# Altium PCB LimeSDR-Micro_1v2.PcbDoc (part 4 of 9) (continued)
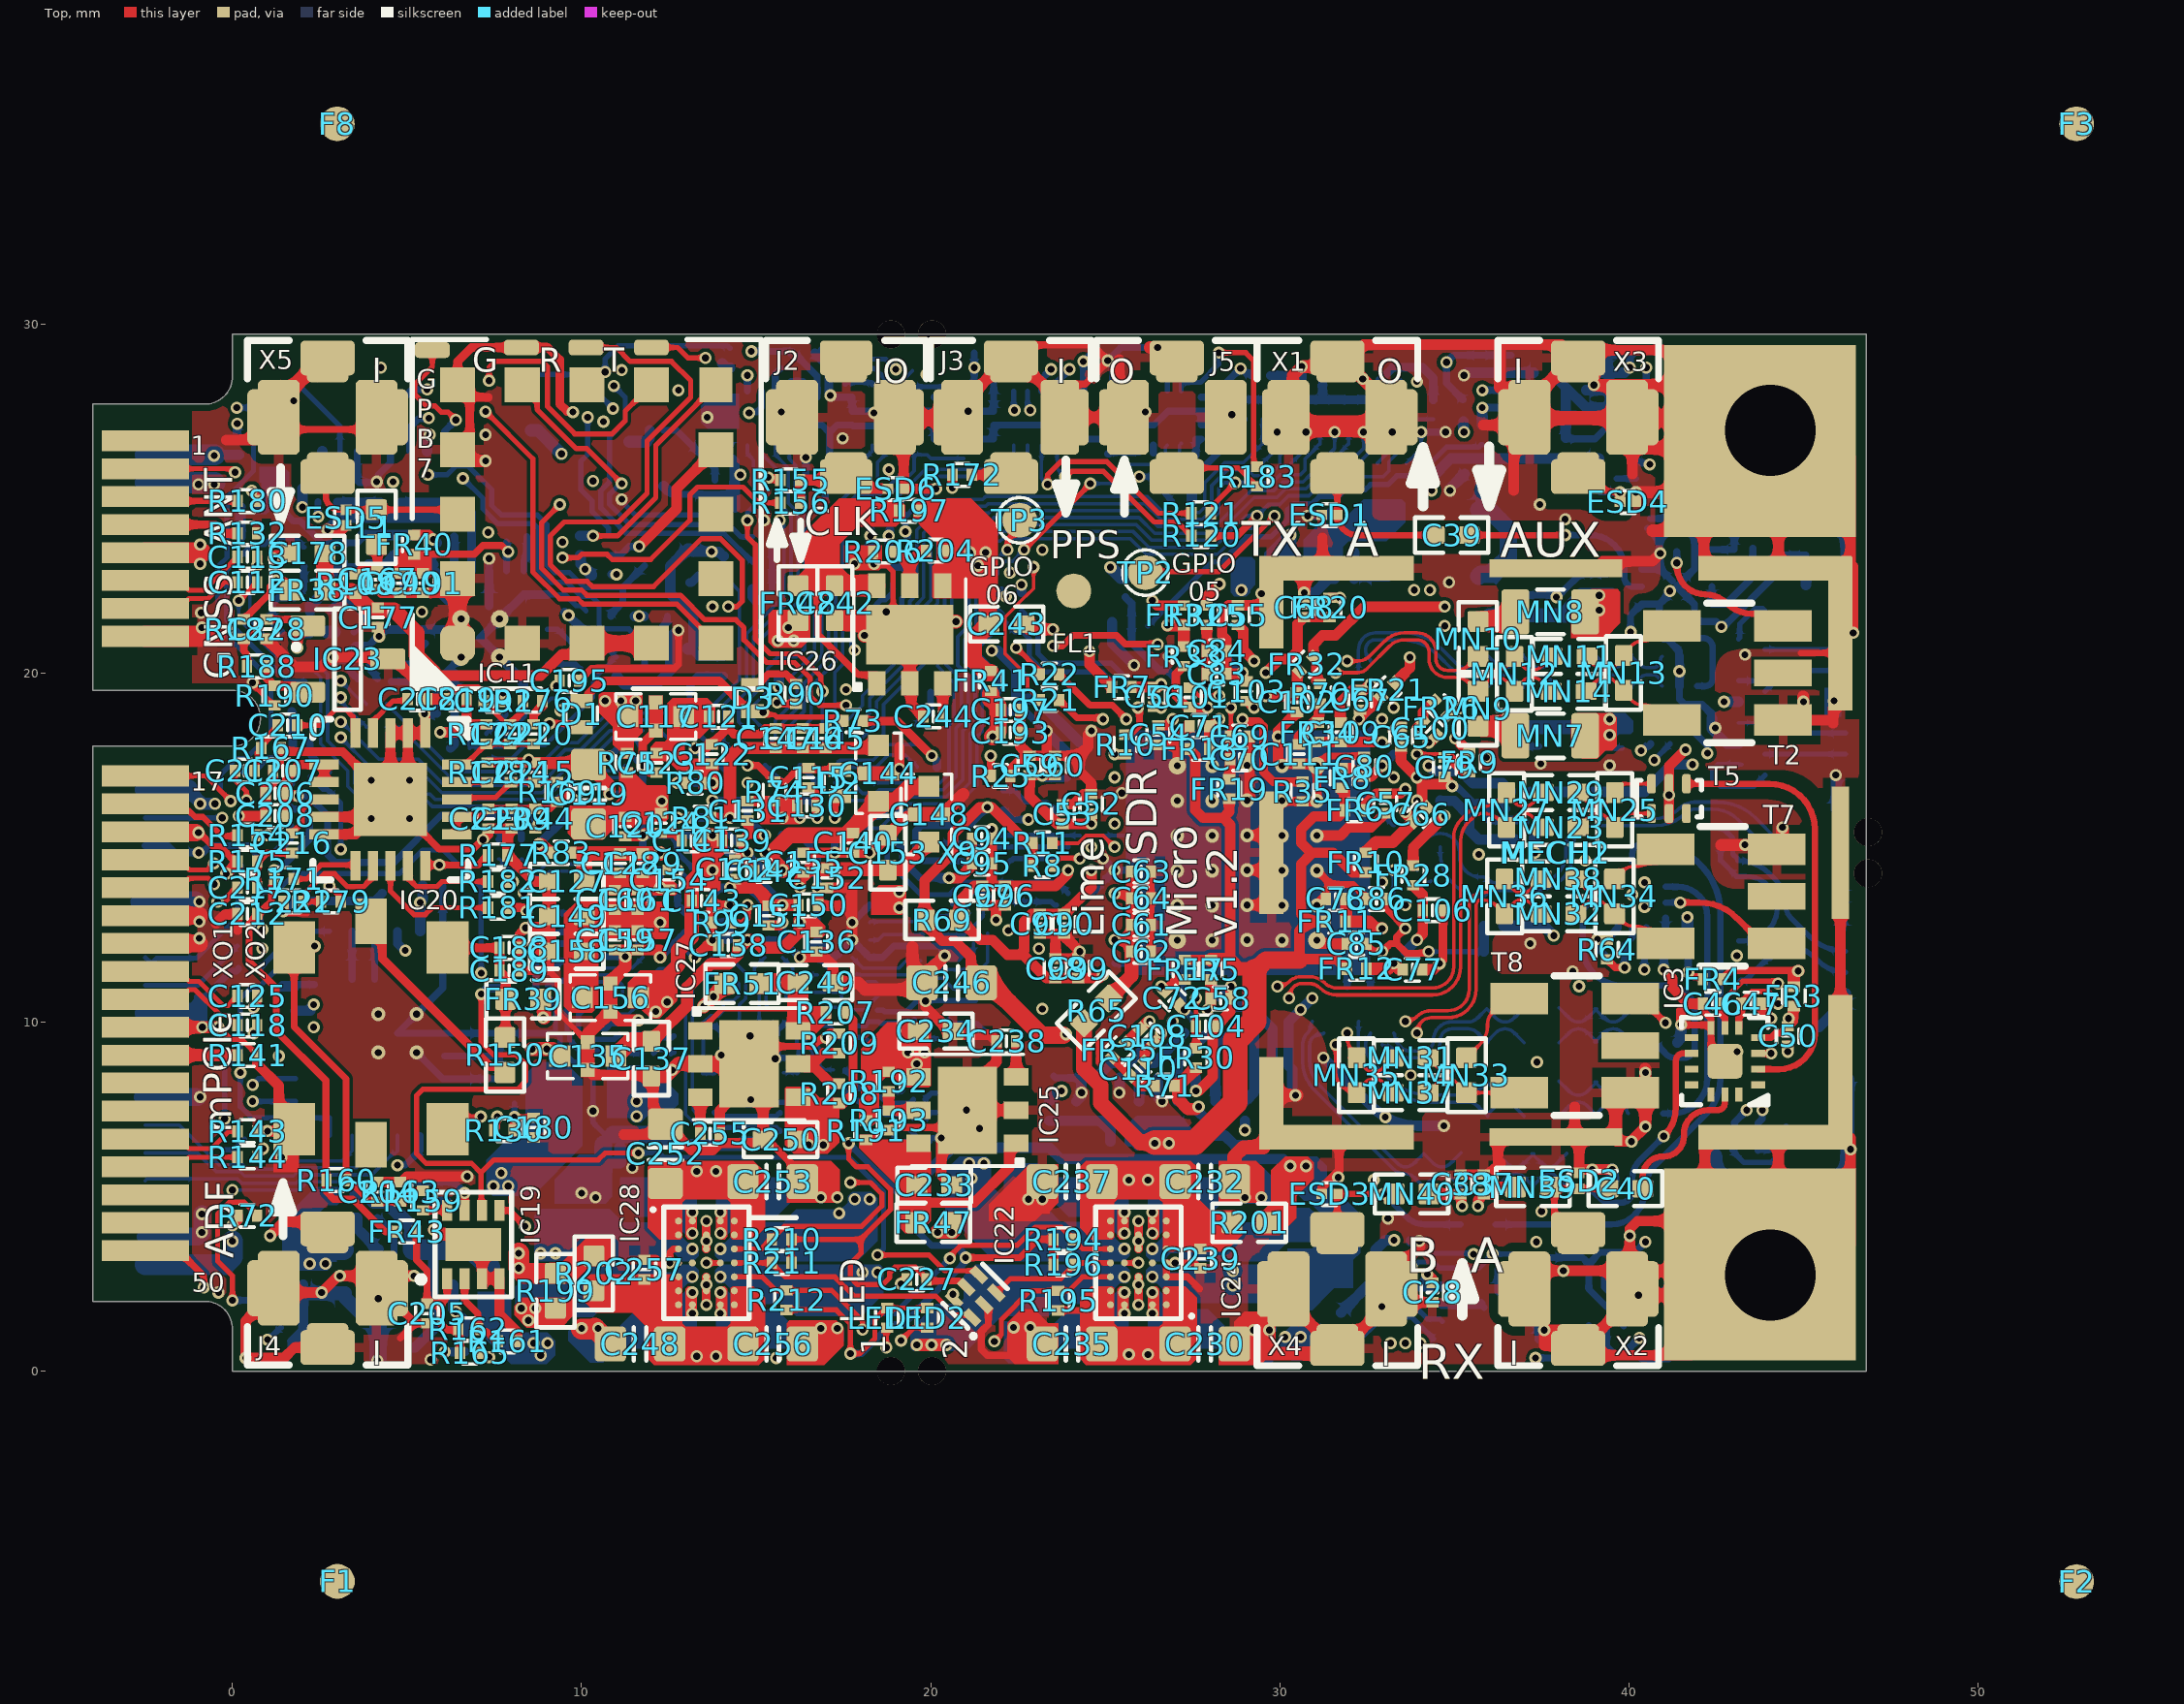
[diagram p0: Top view]
## Nets (pads, with @x,y where several pads share a name; then routed paths per layer and width w, separated by ;. In a path a pad name is that pad's centre, name@x,y a point inside that pad or via, vN(x,y) a via of type N, cw(c..) or ccw(c..) an arc to the next point about the centre after c; other vN are vias at no path point) (continued)
  Top w0.4: X5.2@1.627,28.077 X5.2@2.175,28.625 ; C137.1@12,8.45 12.414,8.45 v1(12.588,8.625) 12.764,8.8 IC27.2@13.4,8.8 IC27.PAD@14.375,8.8 ; v1(18.1,21.075) 19.4,21.075 IC26.PAD@19.5,21.075 ; J2.2@19.102,27.3 J3.2@20.923,27.3 ; IC26.PAD@20.475,21.475 v1(20.725,21.475) ; C232.1@28.7,5.425 28.7,6.15 28.959,6.409 MECH2.1@29.534,6.409 ; 29.15,0.5 X4.2@31.2,0.5 ; MECH2.1@29.534,6.434 MECH2.1@29.812,6.712 ; X3.2@37.023,27.3 37.125,27.3 X9.0@42.688,27.3
  Top w0.5: X9.21@-2.6,15.425 v1@-1.05,15.425 ; X9.29@-2.5,12.25 v1@-0.95,12.25 ; X9.27@-2.5,13.05 -0.95,13.05 ; IC11.1@6.45,20.85 IC11.2@6.45,22.7
  Top w0.6: X9.15@-2.5,21.05 -0.5,21.05 ; X9.9@-2.5,23.45 -0.9,23.45 ; v1@10,1.2 v1@10.375,1.2 ; v1@10.375,1.225 C248.1@10.825,0.775 ; C242.1@17.3,21.5 IC26.PAD@18.475,21.5
  L2 w0.11: 25.27,18.395 25.27,18.943
  L3 w0.25: 9.55,17.15 10.1,17.15 10.4,16.85 10.4,13.25 9.875,12.725 9.875,7.9 v1(10.325,7.45)
  L3 w0.3: v1(8.35,13.7) 9.225,14.575 9.225,16.825 9.55,17.15
  L4 w0.11: 25.27,18.395 25.27,18.943 ; 27.72,19.341 v1(28.267,19.341)
  L4 w0.35: v1(28.267,19.341) v1(28.933,20.007)
  L5 w0.11: 25.27,18.395 25.27,18.943
  L6 w0.1: v1(32.93,18.675) 33.5,18.675 33.625,18.8
  Bottom w0.1: R129.2@29.5,25.995 29.5,26.013 29.925,26.438 v1(29.925,26.9) ; R124.2@30.325,25.995 30.325,26.013 30.75,26.438 v1(30.75,26.9) ; R125.2@31.15,25.995 31.15,26.013 31.575,26.438 v1(31.575,26.9) ; R123.2@31.975,25.995 31.975,26.013 32.4,26.438 v1(32.4,26.9) ; R126.2@32.8,25.995 32.8,26.013 33.225,26.438 v1(33.225,26.9) ; R122.2@33.625,25.995 34.05,26.42 v1(34.05,26.9)
  Bottom w0.11: IC1.T30@24.937,15.345 25.805,15.345
  Bottom w0.15: IC16.1@9.025,22.25 9.035,22.24 9.53,22.24 9.845,21.925 9.98,21.925 C194.1@10.125,21.78 ; 9.25,10.49 9.25,9.7 9.38,9.57 C11.1@9.38,9.405 9.38,9.242 9.762,8.86 R32.1@10.075,8.86 10.325,8.61 10.325,7.125 C226.1@10.825,6.625 ; v1@10.762,16.563 v1(10.8,16.525) ; v1(11.15,24.975) 11.15,24.921 11.25,24.821 11.25,24.818 11.543,24.525 13.612,24.525 C174.1@13.825,24.737 ; v1(11.251,11.875) IC6.C2@11.738,12.363 ; 12.725,15.2 12.725,14.876 IC6.G5@13.251,14.35 ; C1.1@13.79,8.925 C3.2@14.21,8.925 ; v1@14,8.998 R3.1@14,9.26 ; C16.1@14.725,7.635 R40.1@15.275,7.635 15.308,7.635 15.37,7.698 16.157,7.698 ; IC6.F8@14.751,13.85 IC6.E9@15.251,13.35 ; v1(14.751,14.85) IC6.G9@15.251,14.35 ; C6.2@15.365,8.975 C4.1@15.885,8.975 ; v1@15.625,8.998 R17.1@15.625,9.31 ; R56.1@18.475,10.34 18.635,10.34 18.68,10.295 C26.1@18.988,10.295 19.295,10.295 19.6,10.6 v1(19.85,10.6) ; v2(18.925,8.775) 18.925,9.242 18.955,9.273 18.955,9.305 C24.2@18.988,9.305 ; C19.2@18.95,8.005 19.155,8.005 v2(19.2,8.05) ; v1@19.85,10.62 R104.2@20.865,10.62 21.28,10.62 ; 19.975,6.575 19.067,6.575 18.95,6.692 C21.1@18.95,7.015 19.3,7.015 19.64,6.675 v1(20.3,6.675) ; R106.2@20.625,13.38 20.657,13.38 20.657,13.409 20.937,13.688 21.587,13.688 21.875,13.4 v1(21.875,12.925) ; C7.1@21.845,21.175 21.791,21.175 21.4,20.784 21.4,20.476 21.89,19.986 C93.2@21.89,19.95 ; C35.2@39.127,17.845 C33.1@39.799,17.845
  Bottom w0.18: 39.65,25.57 R62.2@40.2,25.57
  Bottom w0.2: -1.075,10.25 -1.075,10.425 -0.042,11.458 0.117,11.458 0.167,11.508 R136.2@0.167,11.533 ; IC15.PAD@3.425,11.225 IC15.2@3.425,12.6 ; X8.3@3.575,26.35 3.575,25.505 R152.2@3.625,25.455 4.13,25.455 4.179,25.504 4.179,25.671 4.525,26.017 4.525,26.3 X8.5@4.575,26.35 ; C199.1@3.595,19.825 3.595,19.85 3.545,19.9 3.52,19.9 3.37,20.05 3.37,20.4 3.42,20.45 3.42,20.695 3.525,20.8 3.909,20.8 4.159,21.05 v1@4.192,21.05 ; IC15.PAD@4.075,11.225 IC15.3@4.075,12.6 ; R189.2@4.15,4.4 4.625,3.925 IC21.PAD@4.625,2.671 ; v4(5.075,16.925) v4@5.075,16.997 ; v3(5.275,9.125) 6.025,8.375 IC15.13@7.65,8.375 IC15.12@7.65,9.025 ; C202.2@5.5,4.875 R166.2@6.175,4.875 ; IC16.12@5.85,19.075 5.85,19.75 v4(6.55,20.45) ; IC16.19@5.85,22.925 5.85,22.35 IC16.25@6.15,22.05 ; C181.2@6.025,13.9 IC15.6@6.025,12.6 6.025,10.975 IC15.PAD@4.725,9.675 IC15.11@7.65,9.675 IC15.12@7.65,9.025 ; IC15.PAD@6.075,9.025 IC15.12@7.65,9.025 ; IC16.22@7.35,22.925 v1(7.35,23.275) IC16.22@7.35,23.35 ; IC15.11@7.725,9.675 9.25,9.675 ; C196.1@7.83,18.25 7.83,18.271 7.984,18.425 8.175,18.615 ; 8.175,18.616 8.341,18.782 8.341,19.066 IC16.7@8.35,19.075 ; v1(8.5,12.125) 8.69,11.935 R103.2@8.69,11.6 R102.2@8.69,11.05 8.69,10.915 8.862,10.742 8.998,10.742 9.25,10.49 ; R101.2@9.01,12.245 10.205,12.245 10.575,11.875 v1(11.251,11.875) ; R29.2@10.25,9.84 C9.2@10.7,9.84 10.835,9.975 11.55,9.975 v1(11.625,10.05) ; v1(10.8,16.525) 11.076,16.525 IC6.L1@11.251,16.35 IC6.M2@11.751,16.85 v1(11.751,17.35) ; v1(10.8,17.6) 11.05,17.85 IC6.P1@11.251,17.85 v1(11.751,17.35) ; IC6.E1@11.251,13.35 11.751,13.35 ; IC6.H1@11.251,14.85 IC6.H2@11.751,14.85 ; IC6.J2@11.734,15.35 v1(11.751,15.35) ; IC6.C2@11.751,12.35 v1(12.251,11.85) IC6.C4@12.751,12.35 ; IC6.C2@11.751,12.363 IC6.D2@11.751,12.85 11.751,13.35 ; IC6.K2@11.751,15.85 v1(11.751,15.35) ; 12.52,15.35 IC6.J3@12.251,15.35 v1(11.751,15.35) ; 12.575,15.35 12.725,15.2 12.875,15.35 IC6.J5@13.251,15.35 ; v1(13.251,11.85) IC6.C4@12.751,12.35 ; v1(13.751,12.35) IC6.C7@14.251,12.35 14.251,12.699 14.1,12.85 ; v1(13.751,16.35) IC6.L7@14.251,16.35 ; v1(14.251,13.35) 14.251,13.001 14.1,12.85 ; IC6.G7@14.251,14.35 v1(14.751,14.85) IC6.J7@14.251,15.35 ; IC6.F8@14.751,13.85 IC6.G9@15.251,14.35 ; IC6.C9@15.251,12.35 IC6.C10@15.751,12.35 ; IC6.E9@15.251,13.35 15.251,12.949 15.375,12.825 15.655,12.825 15.661,12.831 15.732,12.831 v1(15.751,12.85) IC6.C10@15.751,12.35 ; v1(15.251,15.35) IC6.K8@14.751,15.85 14.751,16.149 ; IC6.L9@15.251,16.35 14.952,16.35 14.751,16.149 ; IC6.G11@16.251,14.35 16.575,14.35 ; IC6.J11@16.251,15.35 IC6.H12@16.751,14.85 ; IC6.L11@16.251,16.35 16.525,16.35 16.732,16.143 16.732,15.869 v1(16.751,15.85) ; C172.1@16.425,25.57 v1(16.425,26.175) 16.425,26.2 16.525,26.3 IC8.16@16.525,26.7 ; v1@17.15,27.9 IC12.8@17.75,27.9 IC12.7@17.75,27.5 18.375,27.5 v1@18.425,27.45 ; IC6.J13@17.251,15.35 v1(17.251,14.85) ; v1@17.815,23.109 v1(17.815,23.125) v1@17.815,23.15 ; IC6.E15@18.251,13.35 v1(17.751,12.85) v1(17.751,12.35) ; R15.1@20.3,14.125 R15.1@20.075,14.125 19.7,14.125 19.2,14.625 19.2,14.975 18.95,15.225 18.575,15.225 18.2,14.85 IC6.H14@17.751,14.85 v1(17.251,14.85) ; 20.45,12.175 18.95,12.175 18.625,11.85 IC6.B15@18.251,11.85 v1(17.751,12.35) ; v1(21.075,27.5) IC13.7@21.8,27.5 ; IC13.7@21.806,27.5 21.806,27.9 C166.2@21.805,29.175 ; C93.2@21.89,19.95 C92.2@21.89,19.25 21.89,19.21 22.1,19 22.1,18.992 22.217,18.875 22.74,18.875 v1@23.4,18.215 ; 23.525,8.45 23.575,8.4 C73.2@24.315,8.4 ; IC1.AA31@24.604,13.68 v1(25.27,14.346) ; v1(24.937,14.679) v1(25.27,14.346) ; v2(25.075,26.275) 25.116,26.275 25.166,26.325 IC10.4@25.975,26.325 ; IC1.AG29@25.27,11.682 25.741,11.682 ; 25.925,14.35 25.274,14.35 v1(25.27,14.346) ; v1(26.15,27.475) 26.125,27.5 IC10.7@25.4,27.5 IC10.8@25.4,27.9 25.4,28.225 25.205,28.42 25.205,29.08 25.45,29.325 v1(26.5,29.325) 26.7,29.325 ; 27.226,11.674 27.226,10.498 27.24,10.485 27.24,10.379 v1(27.268,10.35) IC1.AM22@27.601,10.017 ; v2(27.6,26.225) 27.6,26.7 IC10.16@27.75,26.7 ; IC1.AK20@28.267,10.683 v1(28.6,11.016) 28.6,11.825 28.625,11.85 ; IC1.B20@28.267,20.007 28.6,20.34 v1(28.933,20.007) ; IC1.AJ9@31.931,11.016 31.931,11.487 ; 32.275,11.65 32.597,11.328 IC1.AJ7@32.597,11.016 ; 32.377,18.123 v1(32.93,18.675) ; v1(34.05,26.9) v1(34.75,26.9) ; v1(34.937,16.758) 34.966,16.729 35.096,16.729 35.54,16.285 C82.2@36,16.285 ; IC2.PAD@35.75,1.925 IC2.PAD@35.85,1.825 ; C30.1@36.775,17.895 C32.2@37.425,17.895 ; C29.1@36.8,22.23 C31.2@37.45,22.23 37.997,22.23 38.597,22.83 C34.1@38.725,22.83 C36.2@39.375,22.83 ; C42.2@38.165,26.705 39.03,26.705 39.425,27.1 IC14.4@39.425,27.6 IC14.3@39.425,28.1 IC14.2@39.425,28.6 IC14.1@39.425,29.1 40.025,29.1 v1(40.025,28.75) ; C48.2@39.319,11.91 39.1,12.129 v1(39.1,12.375) 39.378,12.375 IC4.7@39.7,12.697 IC4.EP@39.7,13.3 ; v1(40.05,21.175) 40.05,21.65 IC5.1@40.375,21.975 40.863,21.975 ; IC5.3@40.375,22.975 40.9,22.975 ; 40.53,24.145 40.875,23.8 ; 40.625,24.425 X9.0@41.113,24.425 ; IC5.12@40.875,21.372 v2(40.875,21.1) 41,20.975 41.1,20.975 41.451,20.624 T1.5@41.451,20.475 ; IC5.12@40.875,21.475 40.875,21.975 IC5.EP@41.2,22.3 ; IC5.4@40.875,23.475 40.875,23.8 ; 40.9,23.225 40.9,22.975 ; IC5.EP@41.245,22.63 40.9,22.975 ; X9.0@41.35,24.275 40.875,23.8 ; T1.2@41.451,19.625 41.451,19.249 41.6,19.1 42.1,19.1 42.375,18.825 R63.2@42.375,18.7 ; X9.0@41.875,23.963 IC5.6@41.875,23.535 ; v1(42.65,21.325) v1@42.575,21.4 ; X9.0@43.02,24.023 C43.2@43.02,23.535 IC5.6@41.875,23.535 ; C45.2@44.425,22.82 44.206,22.82 42.786,21.4 v1@42.575,21.4 ; 11.751,13.35 v1(12.251,13.85) ; IC6.H2@11.751,14.85 IC6.G2@11.751,14.35 IC6.G3@12.251,14.35 v1(12.251,13.85) ; IC6.H2@11.751,14.85 v1(11.751,15.35) ; v1(11.751,17.35) IC6.P3@12.251,17.85 IC6.N4@12.751,17.35 v1(13.251,17.85) IC6.N6@13.751,17.35 14,17.35 14.251,17.099 IC6.L7@14.251,16.35 ; v1(12.251,13.85) IC6.F4@12.751,13.85 IC6.E4@12.751,13.35 IC6.D5@13.251,12.85 ; IC6.C4@12.751,12.35 IC6.D5@13.251,12.85 ; IC6.D5@13.251,12.85 IC6.D6@13.751,12.85 14.1,12.85 ; IC6.L7@14.251,16.35 14.55,16.35 14.751,16.149 ; IC6.C10@15.751,12.35 v1(16.251,11.85) IC6.C12@16.751,12.35 ; 16.575,14.35 16.751,14.526 IC6.H12@16.751,14.85 ; 16.575,14.35 16.751,14.174 v1(16.751,13.85) IC6.E12@16.751,13.35 IC6.C12@16.751,12.35 ; IC6.C12@16.751,12.35 IC6.B13@17.251,11.85 v1(17.751,12.35) ; IC6.H12@16.751,14.85 v1(17.251,14.85) ; IC5.6@41.875,23.535 IC5.6@41.875,23.475 41.875,22.975 IC5.EP@41.375,22.475 41.875,21.975 IC5.10@41.875,21.475 42.5,21.475 v1@42.575,21.4
  Bottom w0.25: v2(1.2,14.825) 1.645,15.27 C187.1@1.645,15.6 ; v1(1.45,13.175) 1.474,13.175 1.774,13.475 4.075,13.475 v2(4.287,13.688) ; v2(1.7,18.9) 1.7,18.873 1.725,18.848 IC17.2@1.725,17.763 ; v1@4.192,21.05 4.392,21.25 IC16.25@6.3,21.25 ; v1(5.5,18.835) IC16.12@5.85,18.835 ; C186.1@6.24,17.838 6.365,17.963 IC16.25@6.365,20 ; IC16.25@7.35,21.925 IC16.22@7.35,22.925 ; IC16.7@8.35,19.075 8.35,19.75 v4(7.65,20.45) IC16.25@7.1,21 v4(7.65,21.55) 8.35,22.25 IC16.1@9.025,22.25 ; C169.2@10.86,22.825 v1@11.023,22.825 ; C169.2@10.948,22.8 10.973,22.825 v1(11,22.825) ; C164.2@16.68,29.175 17.075,28.78 17.075,27.975 v1@17.15,27.9 ; C175.2@29.73,28.525 30.625,28.525 v1(30.625,28.775) ; IC1.K4@33.596,17.343 v1(33.929,17.01) ; 36.475,16.1 36.29,16.285 C82.2@36,16.285 C107.2@36,15.785 36.965,15.785 37.025,15.725 ; v1@40.483,7 T6.2@40.483,7.38 T6.5@40.483,8.23 v1@40.483,8.6 ; v1(41,11.5) 41.003,11.503 41.003,11.847 C49.2@41.005,11.85 ; T1.2@41.451,19.625 T1.5@41.451,20.475
  Bottom w0.3: v1(-0.175,14.25) -0.166,14.25 0.026,14.442 0.169,14.442 R133.1@0.169,14.467 ; R85.2@0.225,23.905 v2(0.225,24.225) C198.2@0.225,24.75 ; C229.1@1.72,0.675 1.72,0.845 2.025,1.15 C224.1@2.025,2.475 ; R88.1@2.22,21.775 2.22,21.921 2.605,22.306 R77.1@2.605,22.425 v2@2.605,22.775 ; v1(2.725,24.1) 3.075,24.45 C184.1@6.347,24.45 ; v1(2.875,20.45) 2.9,20.425 C200.1@3.37,20.425 C200.1@3.37,20.4 ; IC7.2@3.75,22.95 3.9,23.1 4.385,23.1 4.65,23.365 4.65,23.39 C133.1@4.675,23.39 5.46,23.39 IC16.19@5.75,23.1 ; X8.7@5.575,26.35 5.575,26.736 5.65,26.811 v1(5.65,26.825) ; C223.1@6.325,2.475 6.325,1.775 v1(6.4,1.7) 6.675,1.425 C176.2@6.675,1.11 ; v1@8.336,13.7 v1(8.35,13.7) ; v1@10,1.23 v1@10.475,1.23 ; C185.1@11,19.895 11.025,19.895 11.025,19.87 11.22,19.675 12.147,19.675 12.545,20.073 12.545,21.02 v1@12.762,21.237 ; v2@14.025,28.875 14.16,28.74 C171.2@14.255,28.74 ; v1(15.65,19.598) R128.2@15.65,19.895 ; v1(16.85,4.975) v1(17.325,4.975) ; C203.1@19.848,25.048 20.065,25.265 20.14,25.265 v1(20.15,25.275) ; R15.1@20.3,14.125 v1(20.525,14.125) ; v1@23.4,18.215 IC1.J33@23.938,17.676 ; C81.1@24.175,7.73 24.315,7.87 C73.2@24.315,8.4 ; v1(25.075,28.95) v1@25.089,28.95 ; C89.2@25.195,21.45 25.195,20.855 v1(25.825,20.225) ; v1@25.415,8.007 C74.2@25.415,8.4 ; C75.2@26.515,8.4 26.515,7.835 v1(26.625,7.725) ; R127.2@27.48,24.925 v2(27.48,25.215) ; v1@27.595,8.007 C105.2@27.595,8.4 ; v1(28.625,27.4) 28.755,27.27 C163.1@28.925,27.27 ; C88.2@28.706,8.4 28.706,8.793 28.825,8.911 v2(28.825,8.925) ; v1(30.45,7.9) 30.45,7.914 30.355,8.009 C76.2@30.355,8.4 30.355,8.645 30.25,8.75 30.25,10.002 v1(30.598,10.35) v1(30.932,10.683) ; C165.1@30.625,28.45 C165.1@30.625,28.525 ; v1(30.7,22.3) 31,22.3 31.4,22.7 R214.2@31.57,22.7 ; v1(30.8,24.5) 30.81,24.51 30.845,24.51 30.86,24.525 31.395,24.525 31.55,24.68 C261.2@31.575,24.68 ; v1(31.25,8.975) 32.67,7.555 ccw(c33.95,8.836) 33.95,7.025 v1(34.7,7.025) ; C247.2@32.03,0.7 32.03,0.741 32.925,1.636 v1(32.925,1.85) ; 33.75,3.725 v1(34,3.725) ; IC2.7@34.65,1.925 IC2.PAD@35.75,1.925 ; v1@34.847,25.252 C260.2@35.295,25.7 ; v1(35.275,28.525) 35.35,28.6 IC14.7@36.625,28.6 IC14.PAD@37.275,28.6 ; IC2.PAD@36.3,2.3 36.3,2.9 ; IC2.PAD@36.85,1.925 IC2.2@37.45,1.925 ; IC2.4@37.45,0.925 IC2.3@37.45,1.425 IC2.2@37.45,1.925 ; IC2.1@37.45,2.425 IC2.2@37.45,1.925 ; IC14.PAD@38.025,28.35 IC14.PAD@38.195,28.18 ; C42.2@38.195,26.735 IC14.PAD@38.195,28.18 ; IC14.PAD@38.775,28.1 IC14.3@39.425,28.1 ; IC14.PAD@38.775,28.6 IC14.2@39.425,28.6 39.875,28.6 v1(40.025,28.75) ; IC14.PAD@38.775,29.1 IC14.1@39.425,29.1 ; v1(38.95,5.775) v1(39.525,5.775) ; IC9.2@39.35,2.8 39.35,2.425 39.575,2.2 v1@40.25,2.2 ; IC14.4@39.425,27.6 38.775,27.6 IC14.PAD@38.195,28.18 ; 40.025,29.1 40.175,29.25 X9.0@41.15,29.25 ; v1@40.062,6.588 v1(40.475,7) ; v1(40.275,2.175) v1@40.25,2.2 ; C168.2@40.385,0.4 41.125,0.4 X9.0@41.425,0.7 ; T4.1@41.385,9.415 41.5,9.53 v1(41.5,9.925) ; X9.0@41.5,2.2 v1@40.25,2.2 ; R63.2@42.375,18.7 42.375,18.4 42.8,17.975 X7.12@43.142,17.975 ; v2(45.45,9.85) 45.825,10.225 X6.9@46.207,10.225 X6.7@46.207,10.825 ; X9.0@45.8,5.1 X9.0@46.207,5.507 ; X7.MP2@45.932,16.09 X7.15@45.932,17.075 ; X6.1@46.08,12.65 46.08,14.425 ; X7.1@46.207,21.275 X9.0@46.207,24.425
  Bottom w0.35: X9.18@-1.275,16.65 -0.875,16.25 v1(-0.5,16.25) ; v1(10,1.225) 10,1.1 C259.1@10.4,0.7 ; C259.1@10.475,0.907 v1(10.475,1.225) ; 10.676,5.975 11.1,5.975 C226.1@11.1,6.399 ; C225.1@12.175,6.9 12.175,6.85 12.25,6.775 12.3,6.775 12.6,6.475 14.525,6.475 ; 14.53,6.475 14.605,6.55 15.325,6.55 ; v1(16.85,4.975) C251.1@16.85,5.45 ; T3.1@39.525,5.26 v1(39.525,5.775) ; C51.2@41.675,12.63 v1(41.675,13)
  Bottom w0.4: C224.1@2.05,2.225 IC21.PAD@3.225,2.225 ; v2(2.625,22.775) 2.8,22.95 IC7.2@3.75,22.95 ; IC21.PAD@3.225,2.1 IC21.PAD@3.7,1.625 ; X9.0@42.475,5.715 42.475,6.175 ; X9.0@46.257,5.432 X6.15@46.257,8.35
  Bottom w0.5: X9.40@-2.575,7.85 X9.40@-2.5,7.85 v1@-1,7.85 ; X9.50@-2.5,3.85 -1,3.85 v1(-0.875,3.975) v1(-0.875,4.5) ; IC21.2@4.175,0.375 IC21.2@4.175,0.675 IC21.PAD@4.175,1.65 ; C254.1@10.625,5.2 C226.1@10.625,6.5 ; C226.1@10.9,6.775 C225.1@12.2,6.775
  Bottom w0.6: X9.26@-2.625,13.45 X9.26@-2.5,13.45 v1@-1.075,13.45 ; X9.34@-2.5,10.25 -1.075,10.25 ; X9.18@-2.5,16.65 X9.18@-1.275,16.65 ; X9.4@-2.5,25.45 v1@-0.5,25.45
  other v1: 4.15,0.3 5.675,0.325 29.25,1.175 29.7,1.175 16.85,1.225 17.325,1.225 22.375,1.25 22.85,1.25 35.35,2.1 -0.4,2.25 13.575,2.475 37.35,3.7 33.1,4.375 37.5,4.575 22.8,4.925 23.2,4.925 10.4,4.975 29,4.975 29.475,4.975 10,5.1 32.7,5.475 31.675,5.55 11.45,5.825 21.4,6.95 33.025,7.275 21.025,7.475 14.85,7.775 -0.925,7.85 24.325,7.975 25.4,7.975 27.6,8.025 33.75,8.475 37.367,8.85 15.55,8.95 14,9.05 43.1,9.15 14.825,9.6 38.392,11.45 43.092,11.9 37.175,12.25 -0.95,12.4 -0.95,12.875 40.45,13.3 -0.95,13.449 40.1,13.65 40.45,14 38.75,14.625 36.825,14.75 -0.975,15.425 0.175,15.9 -0.925,16.25 33.929,16.344 25.475,16.559 45.925,17.075 39.45,17.35 37.475,17.4 8.485,17.52 35.925,17.575 34.262,18.009 42.475,18.425 26.602,19.008 45.875,19.2 17.575,19.525 41.45,20.05 26.825,20.475 43.325,20.525 4.2,21.05 -0.875,21.3 34.725,21.35 -0.9,21.725 18.725,21.75 13.75,21.9 37.925,22.175 29.475,22.275 41.175,22.35 34.85,22.6 22.275,22.875 -0.925,23.125 18.375,23.125 -0.925,23.675 9.45,23.75 15.225,24.375 38.175,24.4 37.45,24.825 34.875,25.225 -0.975,25.399 -0.525,25.4 4.129,25.479 18.8,25.825 17.475,26.725 7.25,26.825 10.625,27.2 13.6,27.325 18.375,27.45 15.725,27.475 1.75,27.8 17.125,27.95 33.925,28.35 11.15,28.675 4.25,28.75
  other v2: 20.825,9.25 43.125,12.975 6.35,18.55 27.268,19.674 25.5,23.325 22.825,25.4 1.35,26.35 14.025,28.85
  other v3: 4.175,9.125 4.175,10.225 5.275,10.225 28.065,12.34 29.065,12.35 30.065,12.34 27.065,13.34 28.065,13.34 30.065,13.34 27.065,14.34 28.065,14.34 30.065,14.34 27.065,15.34 28.065,15.34 30.065,15.34 27.065,16.34 28.065,16.34 30.065,16.34 28.065,17.34 29.065,17.35
  other v4: 27.065,12.34 5.075,15.825 6.55,21.55
GNSS_1PPS: IC11.6 R170.1 | length 9.5
  Top w0.15: IC11.6@8.3,28.25 8.725,27.825 8.725,27.55 9.85,26.425 10.15,26.425 v1(11.15,25.425) v1@11.105,25.425
  Bottom w0.15: v1(11.15,25.425) 11.105,25.425 10.8,25.12 10.8,24.83 11.005,24.625 11.007,24.625 11.36,24.272 11.36,24.269 11.379,24.25 14.225,24.25 14.575,23.9 R170.1@14.9,23.9
GNSS_ANT: ESD5.1 IC11.3 L1.1 X5.1 | length 4.6
  Top w0.18: X5.1@2.675,25.625 2.675,25.062 ccw(c3.062,25.062) 3.062,24.675 ESD5.1@3.25,24.675 4.4,24.675 6.325,24.675 cw(c6.325,24.55) IC11.3@6.45,24.55
GNSS_FIX: IC11.13 IC15.21 | length 44
  Top w0.15: v1(7.25,27.487) 8.6,26.137 8.6,22.898 9.373,22.125 9.896,22.125 10.046,21.975 12.725,21.975 IC11.13@13.85,20.85
  L4 w0.1: v1(0.225,8.55) 0.225,8.838 0.93,9.543 0.93,10.595 0.275,11.25 0.275,12.97 1.005,13.7 1.292,13.7 1.975,14.383 1.975,14.67 2.275,14.97 2.275,15.526 3.304,16.555 3.304,16.879 3.675,17.25 3.675,18.325 3.45,18.55 3.45,19.925 3.275,20.1 2.704,20.1 2.504,20.3 2.504,20.871 1.7,21.675 1.433,21.675 0.3,22.808 0.3,24.5 0.875,25.075 0.875,25.35 3.15,27.625 5.4,27.625 5.575,27.8 6.892,27.8 7.205,27.487 v1(7.25,27.487)
  Bottom w0.15: v1(0.225,8.55) 0.225,7.58 0.555,7.25 2.775,7.25 IC15.21@2.775,6.75
GNSS_HW_R: C171.1 IC11.7 | length 4.8
  Top w0.3: IC11.7@10.15,28.25 10.5,28.6 10.636,28.6 10.661,28.625 v1(10.675,28.625)
  Bottom w0.15: v1(10.675,28.625) 10.675,29 11.05,29.375 14.18,29.375 C171.1@14.255,29.3
GNSS_HW_S: C176.1 IC11.8 | length 55.7
  Top w0.15: v1(7.35,28.375) 7.35,28.75 7.525,28.925 8.872,28.925 9.025,28.772 9.025,27.63 9.805,26.85 10.875,26.85 11.25,27.225 11.25,27.5 IC11.8@12,28.25
  L4 w0.1: v1(6.075,0.55) 5.1,1.525 1.975,1.525 0.975,2.525 -0.22,2.525 -0.415,2.725 -0.867,2.725 -2.475,4.333 -2.475,16.675 -1.675,17.475 0.6,17.475 1.304,18.179 1.304,19.754 0.758,20.3 -1.225,20.3 -1.975,21.05 -1.975,25.892 -1.067,26.8 0.275,26.8 1.9,28.425 4.975,28.425 5.3,28.75 6.017,28.75 6.167,28.6 7.125,28.6 v1(7.35,28.375)
  Bottom w0.25: v1(6.075,0.55) C176.1@6.675,0.55
GNSS_RXD: IC12.10 pad.2@10.125,29.325 R109.1 | length 31.9
  Top w0.15: pad.2@10.125,29.325 10.995,29.325 11.395,28.925 12.575,28.925 13.125,28.375 13.125,27.9 11.875,26.65 11.875,25.15 11.05,24.325 9.5,24.325 9.1,23.925 9.1,23.105 9.58,22.625 10.155,22.625 10.305,22.475 12.063,22.475 13.438,23.85 13.975,23.85 14.6,23.225 14.6,22.05 14.45,21.9 v1(14.2,21.9)
  L6 w0.1: v1(14.2,21.9) 14.2,22.4 13.35,23.25 13.35,25.375 14.675,26.7 16.683,26.7 17.333,27.35 17.65,27.35 18.075,27.775 18.56,27.775 18.885,27.45 v2(18.925,27.45)
  Bottom w0.15: R109.1@17.95,28.72 18.405,28.72 18.7,28.425 18.7,28.1 IC12.10@18.725,28.075 18.734,28.066 18.734,27.641 v2(18.925,27.45)
GNSS_RXD_LS: IC6.P9 IC12.3 | length 10.5
  Bottom w0.1: IC6.P9@15.251,17.85 15.551,18.15 15.551,18.64 15.975,19.064 15.975,19.875 16.675,20.575 16.675,24.183 17.792,25.3 18.367,25.3 18.475,25.408 18.475,26.035 18.675,26.235 18.675,26.475 IC12.3@18.725,26.525
GNSS_TXD: C169.1 FR36.1 IC12.11 pad.2@12,29.325 | length 21.6
  Top w0.15: pad.2@12,29.325 12.75,29.325 13.05,29.025 v1(13.55,29.025)
  L6 w0.1: v1(10.1,22.975) 10.1,23.665 10,23.765 10,24.1 9.8,24.3 9.125,24.3 8.85,24.575 8.85,27.675 10.375,29.2 13.375,29.2 v1(13.55,29.025) 13.55,28.775 14.15,28.175 14.959,28.175 15.225,28.441 15.225,28.717 15.708,29.2 18.025,29.2 18.875,28.35 19.114,28.35 v2@19.442,28.678
  Bottom w0.1: IC12.11@19.125,28.075 19.125,28.312 v2@19.481,28.669
  Bottom w0.3: FR36.1@9.95,23.37 9.975,23.37 9.975,23.125 10.275,22.825 10.3,22.825 C169.1@10.3,22.8
  other v2: 19.45,28.7
GNSS_TXD_LS: IC6.P10 IC12.2 | length 10.5
  Bottom w0.1: IC6.P10@15.751,17.85 15.751,18.067 15.751,18.557 16.175,18.981 16.175,19.792 16.875,20.492 16.875,24.1 17.875,25.1 18.55,25.1 19.125,25.675 IC12.2@19.125,26.525
I2C_SDA_SEL: IC15.28 IC22.6 R185.1 | length 30.3
  L6 w0.1: v1(-0.225,7.225) -0.225,6.275 1.425,4.625 9.183,4.625 12.658,1.15 15.9,1.15 16.55,1.8 20.237,1.8 v1(20.64,2.203)
  Bottom w0.15: v1(-0.225,7.225) -0.225,8.675 0.225,9.125 0.225,10.675 0.5,10.95 0.717,10.95 1.3,11.533 1.3,11.55 1.375,11.625 IC15.28@1.8,11.625
  Bottom w0.25: R185.1@-0.225,6.9 v1(-0.225,7.225)
JTAG_RST: D3.C R90.2 | length 1.5
  Top w0.2: D3.C@14.9,19.65 15.025,19.65 15.348,19.973 15.857,19.973 16.075,19.755 16.075,19.73 16.125,19.68 R90.2@16.15,19.68
LA_CFG_BOOT_HO: IC6.R14 R114.2 R124.1 | length 19.9
  Bottom w0.1: IC6.R14@17.751,18.35 18.25,18.849 18.25,19.267 19.6,20.617 19.6,21.967 19.8,22.167 19.8,24.017 20.558,24.775 21.576,24.775 21.651,24.85 21.658,24.85 26.132,24.85 26.582,24.4 27.783,24.4 28.05,24.667 28.05,25.367 28.508,25.825 29.075,25.825 29.25,25.65 29.692,25.65 30,25.958 30,26.23 30.2,26.43 30.2,26.455 30.3,26.555 R124.1@30.325,26.555 R114.2@30.325,27.27
LA_CFG_BOOT_SRC0: IC6.M14 R112.2 R120.1 R122.1 | length 27.9
  Top w0.2: R120.1@28.025,23.93 28.78,23.93 v1(29.35,24.5)
  Bottom w0.1: IC6.M14@17.751,16.85 18.051,16.55 18.417,16.55 18.517,16.65 20.35,16.65 20.725,17.025 20.725,18.424 20.875,18.574 20.875,19.8 20.4,20.275 20.4,21.636 20.6,21.836 20.6,23.686 20.889,23.975 21.908,23.975 21.983,24.05 21.989,24.05 25.8,24.05 26.25,23.6 28.125,23.6 29.025,24.5 v1(29.35,24.5) 29.675,24.825 29.998,24.825 30.248,25.075 30.837,25.075 31.037,25.275 31.075,25.275 31.575,25.275 31.775,25.475 32.275,25.475 32.425,25.625 32.967,25.625 33.125,25.783 33.125,26.055 R122.1@33.625,26.555 33.625,26.935 33.96,27.27 R112.2@34.4,27.27
LA_CFG_BOOT_SRC1: IC6.P15 R113.2 R123.1 | length 21
  Bottom w0.1: IC6.P15@18.251,17.85 18.65,18.249 18.65,19.101 20,20.451 20,21.801 20.2,22.001 20.2,23.851 20.724,24.375 21.742,24.375 21.817,24.45 21.824,24.45 25.966,24.45 26.416,24 27.95,24 29.175,25.225 29.833,25.225 30.083,25.475 30.671,25.475 30.871,25.675 30.909,25.675 31.375,25.675 31.525,25.825 31.525,26.105 31.85,26.43 31.85,26.455 31.95,26.555 R123.1@31.975,26.555 R113.2@31.975,27.27
LA_CFG_PCIE_GEN: IC6.P13 R119.2 R129.1 | length 19.6
  Bottom w0.1: IC6.P13@17.251,17.85 17.451,18.05 17.451,18.474 18.05,19.073 18.05,19.35 19.4,20.7 19.4,22.05 19.6,22.25 19.6,24.1 20.475,24.975 21.493,24.975 21.568,25.05 21.575,25.05 26.215,25.05 26.665,24.6 27.7,24.6 27.85,24.75 27.85,25.45 28.425,26.025 28.961,26.025 29.491,26.555 R129.1@29.5,26.555 R119.2@29.5,27.27
LA_CFG_RST_HNDSHK: IC6.P14 R115.2 R121.1 R125.1 | length 22.1
  Top w0.15: R121.1@28.025,24.575 28.1,24.65 28.1,24.825 v1(28.725,25.45)
  Bottom w0.1: IC6.P14@17.751,17.85 18.45,18.549 18.45,19.184 19.8,20.534 19.8,21.884 20,22.084 20,23.934 20.641,24.575 21.659,24.575 21.734,24.65 21.741,24.65 26.049,24.65 26.499,24.2 27.866,24.2 28.25,24.584 28.25,25.284 28.416,25.45 v1(28.725,25.45) 29.775,25.45 30,25.675 30.588,25.675 30.725,25.812 30.725,26.13 31.025,26.43 31.025,26.455 31.125,26.555 R125.1@31.15,26.555 R115.2@31.15,27.27
LA_CFG_TEST_PORT_DIS: IC6.M15 R116.2 R126.1 R131.1 | length 24.9
  Bottom w0.1: IC6.M15@18.251,16.85 20.267,16.85 20.525,17.108 20.525,18.506 20.675,18.656 20.675,19.717 20.2,20.192 20.2,21.719 20.4,21.919 20.4,23.769 20.806,24.175 21.825,24.175 21.9,24.25 21.906,24.25 25.883,24.25 26.333,23.8 28.042,23.8 29.267,25.025 29.916,25.025 30.166,25.275 30.754,25.275 30.954,25.475 30.992,25.475 31.492,25.475 31.692,25.675 32.192,25.675 32.3,25.783 32.3,26.055 32.675,26.43 32.675,26.455 32.775,26.555 R126.1@32.8,26.555 R116.2@32.8,27.27 ; R116.2@32.875,27.27 33.375,27.27 33.525,27.42 R131.1@33.55,27.42
LA_DCS_CLK_N: IC6.F2 R86.2 | length 4
  Bottom w0.1: R86.2@8.275,14.67 8.3,14.67 8.4,14.57 8.4,14.545 8.595,14.35 8.81,14.35 8.985,14.525 11.076,14.525 IC6.F2@11.751,13.85
LA_DCS_CLK_P: IC6.F1 R82.2 | length 4.1
  Bottom w0.1: R82.2@7.625,14.67 7.65,14.67 7.75,14.57 7.75,14.545 7.945,14.35 8.175,14.35 8.375,14.15 8.925,14.15 9.1,14.325 10.776,14.325 IC6.F1@11.251,13.85
LA_GPIO_05: IC6.L13 TP2.1 | length 25.2
  Top w0.15: TP2.1@26.15,22.875 26.175,22.9 28.25,22.9 v1(29.85,24.5)
  Bottom w0.1: IC6.L13@17.251,16.35 18.5,16.35 18.6,16.45 20.433,16.45 20.925,16.942 20.925,18.341 21.075,18.491 21.075,19.917 20.775,20.217 20.775,21.043 21.1,21.368 21.1,22.515 20.8,22.815 20.8,23.603 20.972,23.775 21.99,23.775 22.065,23.85 22.072,23.85 25.717,23.85 26.167,23.4 28.225,23.4 28.75,23.925 28.962,24.138 29.487,24.138 v1(29.85,24.5)
LA_GPIO_06: IC6.K15 TP3.1 | length 11.6
  Top w0.15: v1(22.2,23.525) 22.2,23.8 22.55,24.15 TP3.1@22.55,24.375
  Bottom w0.1: IC6.K15@18.251,15.85 18.567,15.85 18.967,16.25 20.516,16.25 21.125,16.859 21.125,18.258 21.275,18.408 21.275,20 20.975,20.3 20.975,20.96 21.3,21.285 21.3,22.508 21.725,22.933 21.725,23.083 22.108,23.465 v1@22.2,23.465
LA_HRESET: D1.A D2.A D3.A IC6.K13 R73.2 | length 13.8
  Top w0.15: D3.A@14.9,18.9 14.925,18.875 15,18.8 15.525,18.8 15.59,18.735 17.41,18.735 17.495,18.65 R73.2@17.495,18.625
  Top w0.2: D3.A@14.892,18.875 14.925,18.875 v1(15.2,18.875) ; v1(17.251,15.85) D2.A@17.251,16.475
  Top w0.25: v1(9.4,18.925) 9.6,19.125 9.925,19.125 D1.A@10,19.2 10.125,19.2 10.2,19.275 10.2,19.4 10.575,19.775 13.932,19.775 14.7,19.007 14.7,18.975 14.775,18.9 D3.A@14.9,18.9
  L3 w0.1: v1(15.2,18.875) 17.251,16.824 v1(17.251,15.85)